# KiCad board Interrupter v1.2.kicad_pcb (continued)
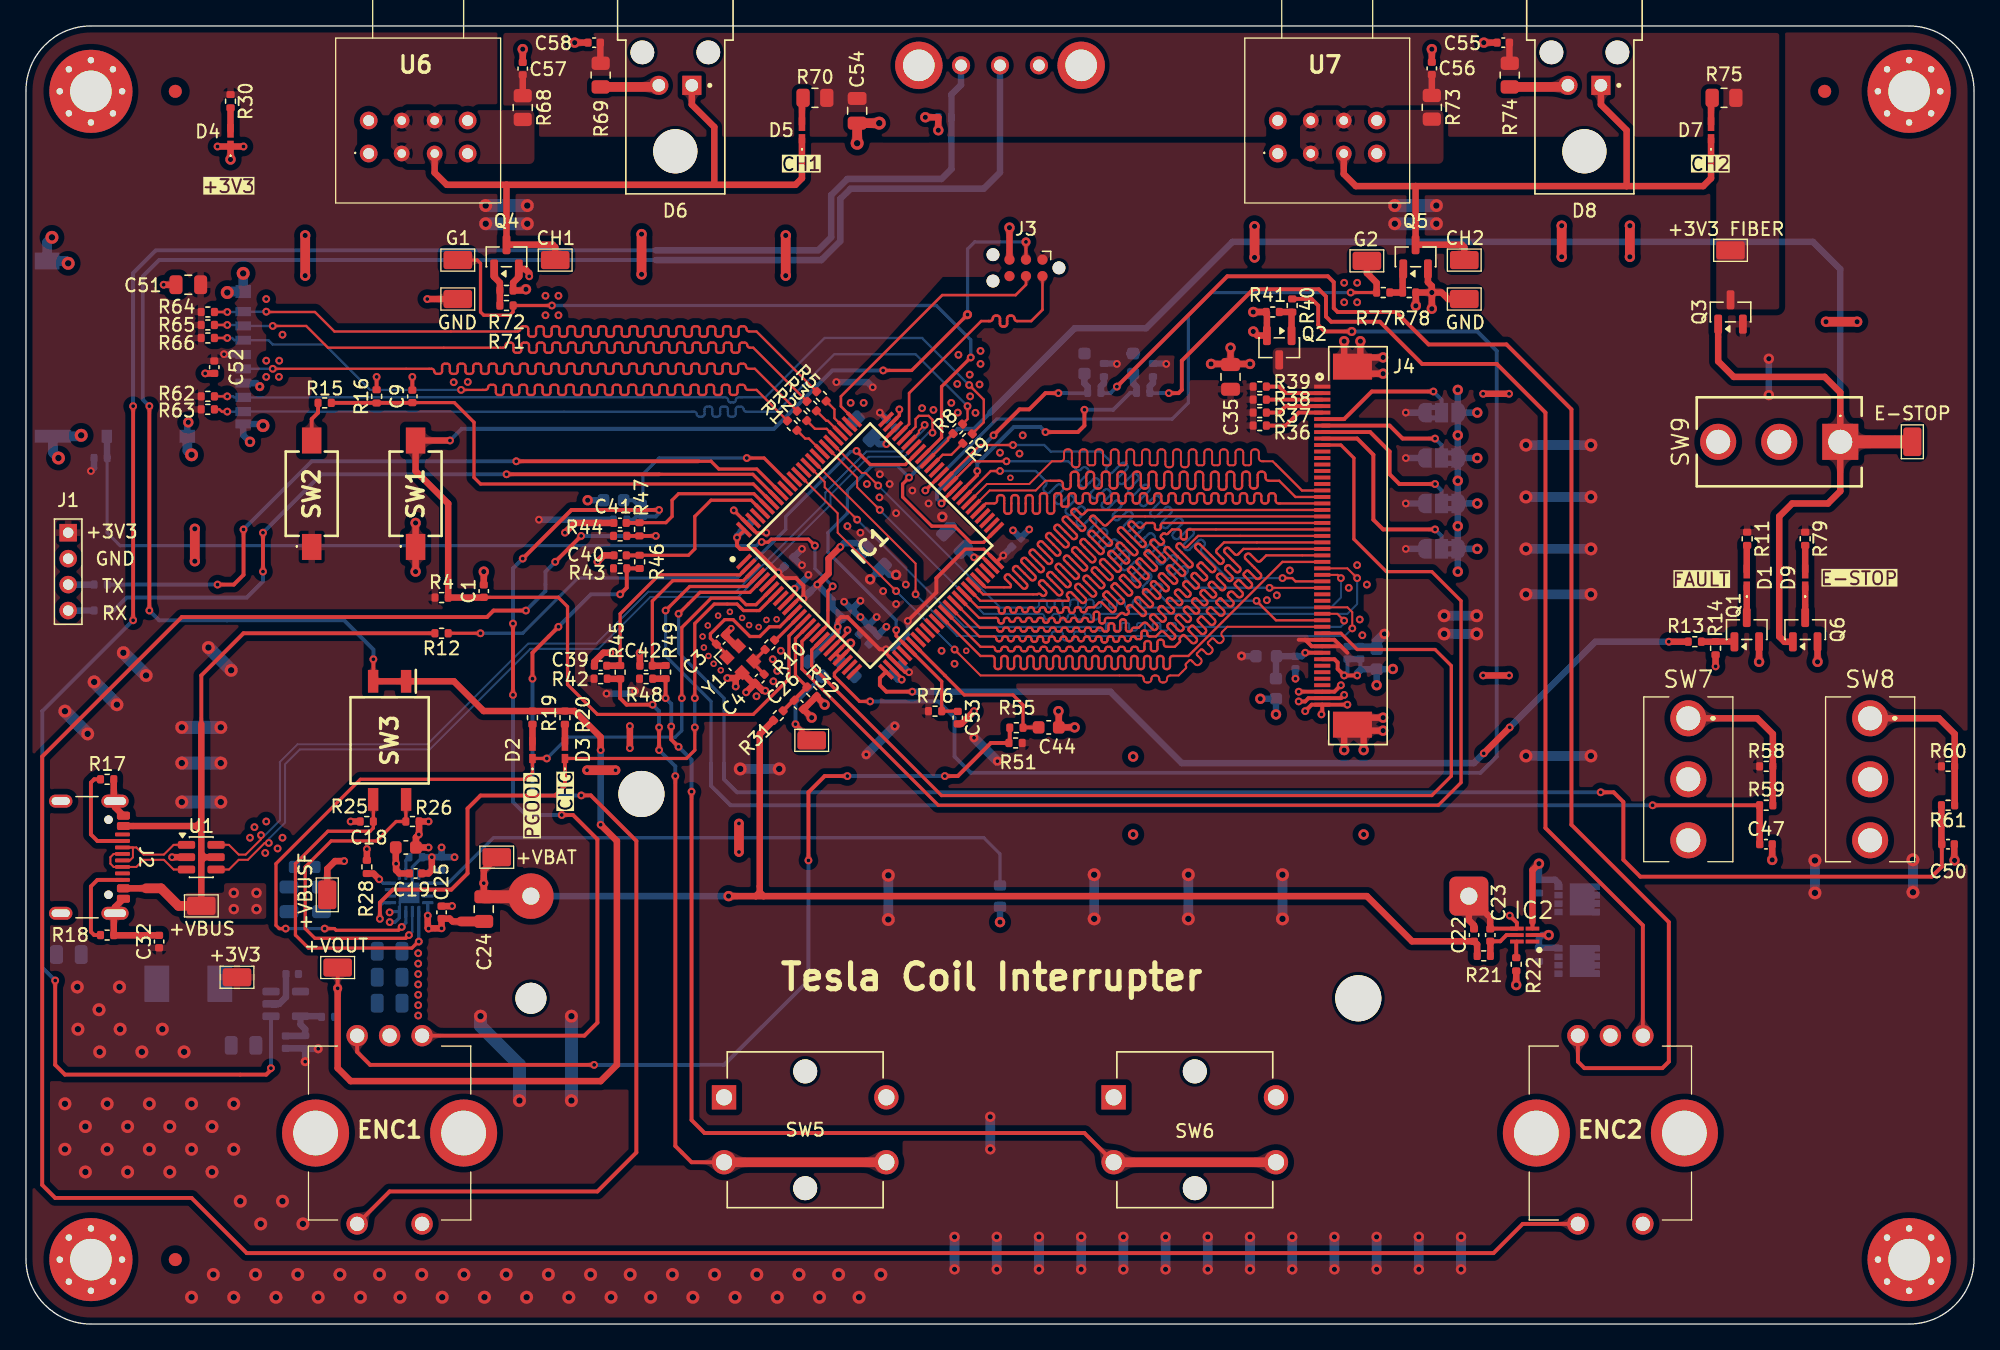
[diagram p0: board, top side]
## Library data of the parts (continued)
JP1-JP4 = -: Description: 3-pole Solder Jumper, pins 1+2 closed/bridged; ki_fp_filters: SolderJumper*Bridged12*
L1 = -: Datasheet: https://industrial.panasonic.com/cdbs/www-data/pdf/AGL0000/AGL0000C67.pdf; Description: Inductor; Link: https://www.mouser.it/ProductDetail/Panasonic/ETQ-P3M2R2HFP?qs=f9yNj16SXrJQaaX5knv6PA%3D%3D; Vendor: Mouser; Manufacturer_Part_Number: ETQ-P3M2R2HFP; ki_fp_filters: Choke_* *Coil* Inductor_* L_*
Q1 Q4 Q6 = -: Datasheet: https://assets.nexperia.com/documents/data-sheet/PMV240ENEA.pdf; Description: N-MOSFET transistor, drain/source/gate; Sim.Library: .\; Link: https://www.mouser.it/ProductDetail/Nexperia/PMV240ENEAR?qs=olJun0bQHM8vrl7UqGNaQw%3D%3D; Vendor: Mouser
Q2 = -: Datasheet: https://assets.nexperia.com/documents/data-sheet/PMV240ENEA.pdf; Description: N-MOSFET transistor, drain/source/gate; Sim.Device: NMOS; Sim.Type: VDMOS; Sim.Pins: 1=D 2=G 3=S; Link: https://www.mouser.it/ProductDetail/Nexperia/PMV240ENEAR?qs=olJun0bQHM8vrl7UqGNaQw%3D%3D; Vendor: Mouser
Q3 = -: Datasheet: https://assets.nexperia.com/documents/data-sheet/PMV250EPEA.pdf; Description: P-MOSFET transistor, drain/source/gate; Link: https://www.mouser.it/ProductDetail/Nexperia/PMV250EPEAR?qs=Yna0arPQ0CTtAa8k6X9CyQ%3D%3D; Vendor: Mouser; Manufacturer_Part_Number: PMV250EPEA
Q5 = -: Datasheet: https://assets.nexperia.com/documents/data-sheet/PMV240ENEA.pdf; Description: N-MOSFET transistor, drain/source/gate; Link: https://www.mouser.it/ProductDetail/Nexperia/PMV240ENEAR?qs=olJun0bQHM8vrl7UqGNaQw%3D%3D; Vendor: Mouser
R1-R3 R5 R8 R9 = -: Datasheet: https://www.vishay.com/docs/20132/rca-sre3.pdf; Description: Resistor; Link: https://eu.mouser.com/ProductDetail/Vishay/RCA040233R0FKEDSR?qs=4dK74SdgGtwI6tlGJ%2FGTmQ%3D%3D; Vendor: Mouser; Manufacturer_Part_Number: RCA040233R0FKEDSR; ki_fp_filters: R_*
R4 R12 R16 R25 R26 R34 R42-R61 R67 R76 = -: Datasheet: https://eu.mouser.com/datasheet/3/508/1/PYU_AC_51_ROHS_L.pdf; Description: Resistor; Link: https://eu.mouser.com/ProductDetail/YAGEO/AC0402FR-0710KL?qs=yhV1fb9g%2FKYkR5U3B7upEQ%3D%3D; Vendor: Mouser; Manufacturer_Part_Number: AC0402FR-0710KL; ki_fp_filters: R_*
R6 R7 R11 R15 R79 = -: Datasheet: https://eu.mouser.com/datasheet/3/508/1/PYU_AC_51_ROHS_L.pdf; Description: Resistor; Link: https://eu.mouser.com/ProductDetail/YAGEO/AC0402FR-13100RL?qs=AQlKX63v8RslM5cufGduxw%3D%3D; Vendor: Mouser; Manufacturer_Part_Number: AC0402FR-13100RL; ki_fp_filters: R_*
R10 = -: Datasheet: https://www.vishay.com/docs/20035/dcrcwe3.pdf; Description: Resistor; Link: https://eu.mouser.com/ProductDetail/Vishay/CRCW04020000Z0ED?qs=OlqPY1Ciranv3qgeAHCodg%3D%3D; Vendor: Mouser; Manufacturer_Part_Number: CRCW04020000Z0ED; ki_fp_filters: R_*
R13 R40 R71 R77 = -: Datasheet: https://eu.mouser.com/datasheet/3/508/1/PYU_AC_51_ROHS_L.pdf; Description: Resistor; Link: https://eu.mouser.com/ProductDetail/YAGEO/AC0402FR-7W220RL?qs=mQk0km4IMDd0ZPGIeAEF8Q%3D%3D; Vendor: Mouser; Manufacturer_Part_Number: AC0402FR-7W220RL; ki_fp_filters: R_*
R14 R35 R41 R72 R78 = -: Datasheet: https://eu.mouser.com/datasheet/3/508/1/PYU_AC_51_ROHS_L.pdf; Description: Resistor; Link: https://eu.mouser.com/ProductDetail/YAGEO/AC0402FR-7W100KL?qs=mQk0km4IMDfW7chanOKcig%3D%3D; Vendor: Mouser; Manufacturer_Part_Number: AC0402FR-7W100KL; ki_fp_filters: R_*
R17 R18 = -: Datasheet: https://eu.mouser.com/datasheet/3/508/1/PYu-AF_51_RoHS_L_9.pdf; Description: Resistor; Link: https://eu.mouser.com/ProductDetail/YAGEO/AF0402FR-075K1L?qs=HEu%2FF%2FCqxzKC2GH3mOffUw%3D%3D; Vendor: Mouser; Manufacturer_Part_Number: AF0402FR-075K1L; ki_fp_filters: R_*
R19 R20 R29 = -: Datasheet: https://eu.mouser.com/datasheet/3/508/1/PYU_AC_51_ROHS_L.pdf; Description: Resistor; Link: https://eu.mouser.com/ProductDetail/YAGEO/AC0402FR-7W1K5L?qs=mQk0km4IMDcl1A2lKmX%2F2w%3D%3D; Vendor: Mouser; Manufacturer_Part_Number: AC0402FR-7W1K5L; ki_fp_filters: R_*
R21 = -: Datasheet: https://eu.mouser.com/datasheet/3/508/1/PYU_AC_51_ROHS_L.pdf; Description: Resistor; Link: https://eu.mouser.com/ProductDetail/YAGEO/AC0402FR-7W330RL?qs=mQk0km4IMDczemHdChyFNA%3D%3D; Manufacturer_Part_Number: AC0402FR-7W330RL; Vendor: Mouser; ki_fp_filters: R_*
R22 = -: Datasheet: https://eu.mouser.com/datasheet/3/508/1/PYu-AF_51_RoHS_L_9.pdf; Description: Resistor; Link: https://eu.mouser.com/ProductDetail/YAGEO/AF0402FR-072K2L?qs=HEu%2FF%2FCqxzLbE%252B9PoedSew%3D%3D; Manufacturer_Part_Number: AF0402FR-072K2L; Vendor: Mouser; ki_fp_filters: R_*
R23 R24 = -: Datasheet: https://eu.mouser.com/datasheet/3/508/1/PYu-AF_51_RoHS_L_9.pdf; Description: Resistor; Vendor: Mouser; Link: https://eu.mouser.com/ProductDetail/YAGEO/AF0402FR-075M1L?qs=tggtontpCXODq21yFdoYyQ%3D%3D; Manufacturer_Part_Number: AF0402FR-075M1L; ki_fp_filters: R_*
R27 = -: Datasheet: https://eu.mouser.com/datasheet/3/508/1/PYU_AC_51_ROHS_L.pdf; Description: Resistor; Link: https://eu.mouser.com/ProductDetail/YAGEO/AC0402FR-7W68KL?qs=mQk0km4IMDe05rLmfXlp6Q%3D%3D; Vendor: Mouser; Manufacturer_Part_Number: AC0402FR-7W68KL; ki_fp_filters: R_*
R28 = -: Datasheet: https://eu.mouser.com/datasheet/3/508/1/PYU_AC_51_ROHS_L.pdf; Description: Resistor; Link: https://eu.mouser.com/ProductDetail/YAGEO/AC0402FR-071K8L?qs=yhV1fb9g%2FKZuYNO5wsV9Pw%3D%3D; Vendor: Mouser; Manufacturer_Part_Number: AC0402FR-071K8L; ki_fp_filters: R_*
R30 = -: Datasheet: https://eu.mouser.com/datasheet/3/508/1/PYU_AC_51_ROHS_L.pdf; Description: Resistor; Link: https://eu.mouser.com/ProductDetail/YAGEO/AC0402FR-7W470RL?qs=mQk0km4IMDfWG48tCLZa0w%3D%3D; Vendor: Mouser; Manufacturer_Part_Number: AC0402FR-7W470RL; ki_fp_filters: R_*
R31 R32 R62-R66 = -: Datasheet: https://www.vishay.com/docs/20035/dcrcwe3.pdf; Description: Resistor; Link: https://eu.mouser.com/ProductDetail/Vishay/CRCW040247K0FKED?qs=rzhQWu8UUS0SPbmGf0DOIg%3D%3D; Vendor: Mouser; Manufacturer_Part_Number: CRCW040247K0FKED; ki_fp_filters: R_*
R33 = -: Datasheet: https://industrial.panasonic.com/cdbs/www-data/pdf/RDA0000/AOA0000C304.pdf; Description: Resistor; Link: https://eu.mouser.com/ProductDetail/Panasonic/ERJ-2RKF4533X?qs=YMBIwoNQYdVZQ316LHSXpQ%3D%3D; Vendor: Mouser; Manufacturer_Part_Number: ERJ-2RKF4533X; ki_fp_filters: R_*
R36-R39 = -: Datasheet: https://eu.mouser.com/datasheet/3/508/1/PYu-SR_20105_RoHS_L_12.pdf; Description: Resistor; Link: https://eu.mouser.com/ProductDetail/YAGEO/SR0402FR-7T4R7L?qs=qpJ%252B%252B%252Bdg6p1e9tckOyHPxA%3D%3D; Vendor: Mouser; Manufacturer_Part_Number: SR0402FR-7T4R7L; ki_fp_filters: R_*
R68 R73 = -: Datasheet: https://industrial.panasonic.com/cdbs/www-data/pdf/RDO0000/AOA0000C331.pdf; Description: Resistor; Link: https://eu.mouser.com/ProductDetail/Panasonic/ERJ-P06F27R0V?qs=iIVTEDlrHA3pDyX1uO2THw%3D%3D; Vendor: Mouser; Manufacturer_Part_Number: ERJ-P06F27R0V; ki_fp_filters: R_*
R69 R70 R74 R75 = -: Datasheet: https://industrial.panasonic.com/cdbs/www-data/pdf/RDO0000/AOA0000C331.pdf; Description: Resistor; Link: https://eu.mouser.com/ProductDetail/Panasonic/ERJ-P06F47R0V?qs=iIVTEDlrHA3jXurJ8%2Fb0wQ%3D%3D; Vendor: Mouser; Manufacturer_Part_Number: ERJ-P06F47R0V; ki_fp_filters: R_*
SW1 SW2 = -: Datasheet: https://www.ckswitches.com/media/2779/pts636.pdf; Description: Push button switch, generic, two pins; Link: https://eu.mouser.com/ProductDetail/CK/PTS636SM43JSMTR-LFS?qs=%252BXxaIXUDbq0c6yfQESkQsA%3D%3D; Manufacturer_Part_Number: PTS636SM43JSMTR LFS; Vendor: Mouser
SW3 = -: Datasheet: https://eu.mouser.com/datasheet/3/39/1/en_a6s.pdf; Description: 2x DIP Switch, Single Pole Single Throw (SPST) switch, small symbol; Link: https://eu.mouser.com/ProductDetail/Omron-Electronics/A6S-2104-H?qs=ZP3UR5XsUocCV6WIDeBAHA%3D%3D; Vendor: Mouser; Manufacturer_Part_Number: A6S-2104-H; ki_fp_filters: SW?DIP?x2*
SW4 = -: Datasheet: https://eu.mouser.com/datasheet/3/315/1/EG1206.pdf; Description: Switch, single pole double throw; Link: https://eu.mouser.com/ProductDetail/E-Switch/EG1206?qs=HKd%2Fp3M7KlUkIGmXpAWCMA%3D%3D; Manufacturer_Part_Number: EG1206; Vendor: Mouser
SW5 SW6 = -: Datasheet: https://www.mouser.it/datasheet/3/39/1/en_b3f.pdf; Description: Push button switch, generic, two pins; Link: https://www.mouser.it/ProductDetail/Omron-Electronics/B3F-4050?qs=B3tblJ0Nlt9ObBVoLmesBQ%3D%3D; Vendor: Mouser; Manufacturer_Part_Number: B3F-4050
SW7 SW8 = -: Datasheet: https://eu.mouser.com/datasheet/3/315/1/100SP1T1B1M2REH.pdf; Description: Switch, single pole double throw; Link: https://eu.mouser.com/ProductDetail/E-Switch/100SP1T1B1M2REH?qs=01kh3H%252BlXihCX4kaIcYj8A%3D%3D; Manufacturer_Part_Number: 100SP1T1B1M2REH; Vendor: Mouser
SW9 = -: Datasheet: https://www.ckswitches.com/media/1395/8060.pdf; Description: Momentary Switch, single pole double throw; Link: https://eu.mouser.com/ProductDetail/CK/8161SHCQE2?qs=%252BxTWGDfWz02yP7w3eFs9fQ%3D%3D; Manufacturer_Part_Number: 8161SHCQE2; Vendor: Mouser
TH1 = -: Datasheet: https://product.tdk.com/system/files/dam/doc/product/sensor/ntc/chip-ntc-thermistor/catalog/tpd_commercial_ntc-thermistor_ntcg_en.pdf; Description: Temperature dependent resistor, negative temperature coefficient; Link: https://www.mouser.it/ProductDetail/TDK/NTCG163JF103FT1A?qs=ZcfC38r4PotFYH9eb1GkAw%3D%3D; Vendor: Mouser; Manufacturer_Part_Number: NTCG163JF103FT1A; ki_fp_filters: R_* RV_*
TP1-TP14 = -: Datasheet: https://eu.mouser.com/datasheet/3/71/1/S2751R.pdf; Description: test point; Link: https://eu.mouser.com/ProductDetail/Harwin/S2751-46R?qs=DaxoyN%2FvrebM3VuuS3MPNA%3D%3D; Vendor: Mouser; Manufacturer_Part_Number: S2751-46R; ki_fp_filters: Pin* Test*
U1 = -: Datasheet: https://www.st.com/resource/en/datasheet/usblc6-2.pdf; Description: Very low capacitance ESD protection diode, 2 data-line, SOT-23-6; Link: https://eu.mouser.com/ProductDetail/STMicroelectronics/USBLC6-2SC6?qs=po45yt2pPpu%2FhNIlwQdTlg%3D%3D; Vendor: Mouser; ki_fp_filters: SOT?23*
U2 = -: Datasheet: http://www.ti.com/lit/ds/symlink/bq24075.pdf; Description: USB-Friendly Li-Ion Battery Charger and Power-Path Management, VQFN-16; Link: https://eu.mouser.com/ProductDetail/Texas-Instruments/BQ24075RGTR?qs=XGzIaZb%2FFYKTADIJv746hA%3D%3D; Vendor: Mouser; Manufacturer_Part_Number: BQ24075RGTR; ki_fp_filters: VQFN*1EP*3x3mm*P0.5mm*
U3 U4 = -: Datasheet: https://www.ti.com/lit/ds/symlink/csd16406q3.pdf?ts=1772560257556&ref_url=https%253A%252F%252Feu.mouser.com%252F; Description: 25V, N ch NexFET MOSFET, single SON3x3, 7.4mOhm 8-VSON-CLIP -55 to 150; MF: Texas Instruments; MOUSER-PURCHASE-URL: https://snapeda.com/shop?store=Mouser&id=288071; PACKAGE: VSON-CLIP-8 Texas Instruments; PRICE: None; TEXAS_INSTRUMENTS-PURCHASE-URL: https://snapeda.com/shop?store=Texas+Instruments&id=288071; AVAILABILITY: Good; DIGIKEY-PURCHASE-URL: https://snapeda.com/shop?store=DigiKey&id=288071; Link: https://eu.mouser.com/ProductDetail/Texas-Instruments/CSD16406Q3?qs=SuDOdTVxq4Wogv4PDdDFZA%3D%3D; Vendor: Mouser
U5 = -: Datasheet: http://www.ti.com/lit/ds/symlink/tlv62569.pdf; Description: High Efficiency Synchronous Buck Converter, Adjustable Output 0.6V-5.5V, 2A, SOT-23-5; Link: https://eu.mouser.com/ProductDetail/Texas-Instruments/TLV62569DBVR?qs=0C8XhJW8e4oaylc%252BzBrCmA%3D%3D; Vendor: Mouser; Manufacturer_Part_Number: TLV62569DBVR; ki_fp_filters: SOT?23*
U6 U7 = -: Datasheet: https://docs.broadcom.com/docs/AV02-0176EN; Description: BROADCOM - HFBR-1412TZ - Fiber Optic Transmitter, Miniature Link, ST Port, 820 nm, 5 Mbaud, 1500 m, 100 mA, 1.84 V, 3.8 V; Height: 10; Mouser Part Number: 630-HFBR-1412TZ; Mouser Price/Stock: https://www.mouser.co.uk/ProductDetail/Broadcom-Avago/HFBR-1412TZ?qs=jT9z6tsiFNmBqJ6B3P4Suw%3D%3D; Manufacturer_Name: Avago Technologies; Link: https://eu.mouser.com/ProductDetail/Broadcom-Avago/HFBR-1412TZ?qs=jT9z6tsiFNmBqJ6B3P4Suw%3D%3D; Vendor: Mouser
Y1 = -: Datasheet: https://eu.mouser.com/datasheet/3/184/1/ABM10N.pdf; Description: Four pin crystal, GND on pins 2 and 4; Link: https://eu.mouser.com/ProductDetail/ABRACON/ABM10N-24.0000MHZ-10-B1U-T3?qs=bN4HulGPsrF3QJP5K3E1pw%3D%3D; Vendor: Mouser; Manufacturer_Part_Number: ABM10N-24.0000MHZ-10-B1U-T3; ki_fp_filters: Crystal*

## Footprints (pads in the part's own frame, mm; a bottom-side part is the same pattern mirrored in y, then rotated)
100SP1T1B1M2REH
  round 2.775 hole 1.85: 1(0,0) 2(4.7,0) 3(9.4,0)
8161SHCQE2
  rect 2.775x2.775 hole 1.85: 1(0,0)
  round 2.775 hole 1.85: 2(0,4.7) 3(0,9.4)
A6S-2104-H
  rect 1.75x0.8 smd: 1(-4.55,1.27) 2(-4.55,-1.27) 3(4.55,-1.27) 4(4.55,1.27)
B3F_4050
  round 1.85 hole 1.85 unplated: (0,4.5) (0,-4.5)
  rect 1.875x1.875 hole 1.25: 1(-6.25,2.5)
  round 1.875 hole 1.25: 2(6.25,2.5) 3(-6.25,-2.5) 4(6.25,-2.5)
BQ29700
  rect 1.05x0.3 smd: 1(-0.6,0.5) 2(-0.6,0) 3(-0.6,-0.5) 4(0.6,-0.5) 5(0.6,0) 6(0.6,0.5)
C_0402_1005Metric
  rrect 0.56x0.62 smd: 1(-0.48,0) 2(0.48,0)
C_0603_1608Metric
  rrect 0.9x0.95 smd: 1(-0.775,0) 2(0.775,0)
C_0805_2012Metric
  rrect 1x1.45 smd: 1(-0.95,0) 2(0.95,0)
Crystal_SMD_Abracon_ABM10-4Pin_2.5x2.0mm
  rect 0.8x0.9 smd: 1(-0.625,0.825) 2(-0.625,-0.825) 3(0.625,-0.825) 4(0.625,0.825)
CSD16406Q3
  rect 0.63x0.5 smd: 1(-1.435,0.975) 2(-1.435,0.325) 3(-1.435,-0.325) 4(-1.435,-0.975) 6(1.435,-0.325) 7(1.435,0.325) 8(1.435,0.975)
  custom 2.32x2.46 smd: 5(1.435,-0.975)
DM3AT-SF-PEJM5
  rect 0.7x1.2 smd: 1(2.775,7.975) 2(1.675,7.975) 3(0.575,7.975) 4(-0.525,7.975) 5(-1.625,7.975) 6(-2.725,7.975) 7(-3.825,7.975) 8(-4.925,7.975) SWB(-5.875,7.975)
  rect 1x1.2 smd: P1(-6.825,3.675) P4(4.325,7.975)
  rect 1x2.8 smd: P2(-6.825,-6.675)
  rect 1.3x1.9 smd: P3(6.675,-7.125)
  rect 1x0.8 smd: SWA(-6.825,-2.525)
EG1206
  round 1.4 hole 0.9: 1(0,0) 2(3,0) 3(6,0)
  round 3.653 hole 2.435: MH1(-3.25,0) MH2(9.25,0)
ER-CON50HT-1
  rect 0.3x1.25 smd: 1(-12.25,0) 2(-11.75,0) 3(-11.25,0) 4(-10.75,0) 5(-10.25,0) 6(-9.75,0) 7(-9.25,0) 8(-8.75,0) 9(-8.25,0) 10(-7.75,0) 11(-7.25,0) 12(-6.75,0) 13(-6.25,0) 14(-5.75,0) 15(-5.25,0) 16(-4.75,0) 17(-4.25,0) 18(-3.75,0) 19(-3.25,0) 20(-2.75,0) 21(-2.25,0) 22(-1.75,0) 23(-1.25,0) 24(-0.75,0) 25(-0.25,0) 26(0.25,0) 27(0.75,0) 28(1.25,0) 29(1.75,0) 30(2.25,0) 31(2.75,0) 32(3.25,0) 33(3.75,0) 34(4.25,0) 35(4.75,0) 36(5.25,0) 37(5.75,0) 38(6.25,0) 39(6.75,0) 40(7.25,0) 41(7.75,0) 42(8.25,0) 43(8.75,0) 44(9.25,0) 45(9.75,0) 46(10.25,0) 47(10.75,0) 48(11.25,0) 49(11.75,0) 50(12.25,0)
  rect 2x3 smd: S1(-13.79,2.325) S2(13.79,2.325)
ETQ-P3M2R2HFP
  rect 1.905x2.79 smd: 1(-2.425,0) 2(2.425,0)
Fiducial_1mm_Mask2mm
  round 1 smd: (0,0)
HFBR1412TMZ
  round 1.365 hole 0.84: 1(-9.79,3.612) 4(-9.79,-4.008) 5(-7.25,-4.008) 8(-7.25,3.612)
  round 1.21 hole 0.66: 2(-9.79,1.072) 3(-9.79,-1.468) 6(-7.25,-1.468) 7(-7.25,1.072)
IF-E97
  round 1.83 hole 1.83 unplated: (-2.54,0) (2.54,0)
  round 3.4 hole 3.4 unplated: (0,7.62)
  rect 1.478x1.478 hole 0.97: 1(-1.27,2.54)
  round 1.478 hole 0.97: 2(1.27,2.54)
Keystone 1043
  round 3.55 hole 3.55 unplated: (-63.71,-7.87) (-8.51,7.87)
  round 2.39 hole 2.39 unplated: (0,-7.87)
  round 3.5 hole 1.32: 1(0,0)
  rrect 3x3 hole 1.32: 2(-72.22,0)
L_0603_1608Metric
  rrect 0.875x0.95 smd: 1(-0.788,0) 2(0.788,0)
MountingHole_3.2mm_M3_Pad_Via
  round 0.8 hole 0.5: 1(-2.4,0) 1(-1.697,1.697) 1(-1.697,-1.697) 1(0,2.4) 1(0,-2.4) 1(1.697,1.697) 1(1.697,-1.697) 1(2.4,0)
  round 6.4 hole 3.2: 1(0,0)
PEC11R4220FS0024
  round 1.65 hole 1.1: 1(0,0) 2(5,0) A1(0,-14.5) B1(5,-14.5) C1(2.5,-14.5)
  round 5.161 hole 3.441: MH1(-3.2,-7) MH2(8.2,-7)
PinSocket_1x04_P2.00mm_Vertical
  rect 1.35x1.35 hole 0.8: 1(0,0)
  round 1.35 hole 0.8: 2(0,-2) 3(0,-4) 4(0,-6)
PTS636SM43JSMTRLFS
  rect 2x1.5 smd: 1(-4.1,0) 2(4.1,0)
R_0402_1005Metric
  rrect 0.54x0.64 smd: 1(-0.51,0) 2(0.51,0)
R_0603_1608Metric
  rrect 0.8x0.95 smd: 1(-0.825,0) 2(0.825,0)
R_0805_2012Metric
  rrect 1.025x1.4 smd: 1(-0.912,0) 2(0.912,0)
S275146R
  rrect 2.2x1.4 smd: 1(0,0)
SolderJumper-3_P1.3mm_Bridged2Bar12_RoundedPad1.0x1.5mm_NumberLabels
  custom 1.05x1.5 smd: 1(-1.3,0) 3(1.3,0)
  rect 1x1.5 smd: 2(0,0)
SOT-23
  rrect 1.475x0.6 smd: 1(-0.938,0.95) 2(-0.938,-0.95) 3(0.938,0)
SOT-23-5
  rrect 1.325x0.6 smd: 1(-1.137,0.95) 2(-1.137,0) 3(-1.137,-0.95) 4(1.137,-0.95) 5(1.137,0.95)
SOT-23-6
  rrect 1.325x0.6 smd: 1(-1.137,0.95) 2(-1.137,0) 3(-1.137,-0.95) 4(1.137,-0.95) 5(1.137,0) 6(1.137,0.95)
STM32F405VGT6
  rect 1.475x0.3 smd: 1(-7.738,6) 2(-7.738,5.5) 3(-7.738,5) 4(-7.738,4.5) 5(-7.738,4) 6(-7.738,3.5) 7(-7.738,3) 8(-7.738,2.5) 9(-7.738,2) 10(-7.738,1.5) 11(-7.738,1) 12(-7.738,0.5) 13(-7.738,0) 14(-7.738,-0.5) 15(-7.738,-1) 16(-7.738,-1.5) 17(-7.738,-2) 18(-7.738,-2.5) 19(-7.738,-3) 20(-7.738,-3.5) 21(-7.738,-4) 22(-7.738,-4.5) 23(-7.738,-5) 24(-7.738,-5.5) 25(-7.738,-6) 51(7.738,-6) 52(7.738,-5.5) 53(7.738,-5) 54(7.738,-4.5) 55(7.738,-4) 56(7.738,-3.5) 57(7.738,-3) 58(7.738,-2.5) 59(7.738,-2) 60(7.738,-1.5) 61(7.738,-1) 62(7.738,-0.5) 63(7.738,0) 64(7.738,0.5) 65(7.738,1) 66(7.738,1.5) 67(7.738,2) 68(7.738,2.5) 69(7.738,3) 70(7.738,3.5) 71(7.738,4) 72(7.738,4.5) 73(7.738,5) 74(7.738,5.5) 75(7.738,6)
  rect 0.3x1.475 smd: 26(-6,-7.738) 27(-5.5,-7.738) 28(-5,-7.738) 29(-4.5,-7.738) 30(-4,-7.738) 31(-3.5,-7.738) 32(-3,-7.738) 33(-2.5,-7.738) 34(-2,-7.738) 35(-1.5,-7.738) 36(-1,-7.738) 37(-0.5,-7.738) 38(0,-7.738) 39(0.5,-7.738) 40(1,-7.738) 41(1.5,-7.738) 42(2,-7.738) 43(2.5,-7.738) 44(3,-7.738) 45(3.5,-7.738) 46(4,-7.738) 47(4.5,-7.738) 48(5,-7.738) 49(5.5,-7.738) 50(6,-7.738) 76(6,7.738) 77(5.5,7.738) 78(5,7.738) 79(4.5,7.738) 80(4,7.738) 81(3.5,7.738) 82(3,7.738) 83(2.5,7.738) 84(2,7.738) 85(1.5,7.738) 86(1,7.738) 87(0.5,7.738) 88(0,7.738) 89(-0.5,7.738) 90(-1,7.738) 91(-1.5,7.738) 92(-2,7.738) 93(-2.5,7.738) 94(-3,7.738) 95(-3.5,7.738) 96(-4,7.738) 97(-4.5,7.738) 98(-5,7.738) 99(-5.5,7.738) 100(-6,7.738)
Tag-Connect_TC2030-IDC-NL_2x03_P1.27mm_Vertical
  round 0.991 hole 0.991 unplated: (-2.54,0) (2.54,1.016) (2.54,-1.016)
  round 0.787 smd: 1(-1.27,-0.635) 2(-1.27,0.635) 3(0,-0.635) 4(0,0.635) 5(1.27,-0.635) 6(1.27,0.635)
TOPLED E1608
  rect 0.7x0.5 smd: 1(-0.645,0)
  rect 1.05x0.5 smd: 2(0.47,0)
USB_C_Receptacle_GCT_USB4105-xx-A_16P_TopMnt_Horizontal
  round 0.65 hole 0.65 unplated: (-2.89,2.605) (2.89,2.605)
  rrect 0.6x1 smd: A1(-3.2,3.755) A4(-2.4,3.755) A9(2.4,3.755) A12(3.2,3.755) B1(3.2,3.755) B4(2.4,3.755) B9(-2.4,3.755) B12(-3.2,3.755)
  rrect 0.3x1.15 smd: A5(-1.25,3.68) A6(-0.25,3.68) A7(0.25,3.68) A8(1.25,3.68) B5(1.75,3.68) B6(0.75,3.68) B7(-0.75,3.68) B8(-1.75,3.68)
  oval 1x2.1 hole 0.6x1.7: S1(-4.32,3.105) S1(4.32,3.105)
  oval 1x1.8 hole 0.6x1.4: S1(-4.32,-1.075) S1(4.32,-1.075)
VQFN-16-1EP_3x3mm_P0.5mm_EP1.6x1.6mm
  rrect 0.64x0.64 smd: (-0.4,-0.4) (-0.4,0.4) (0.4,-0.4) (0.4,0.4)
  rrect 0.875x0.25 smd: 1(-1.438,0.75) 2(-1.438,0.25) 3(-1.438,-0.25) 4(-1.438,-0.75) 9(1.438,-0.75) 10(1.438,-0.25) 11(1.438,0.25) 12(1.438,0.75)
  rrect 0.25x0.875 smd: 5(-0.75,-1.438) 6(-0.25,-1.438) 7(0.25,-1.438) 8(0.75,-1.438) 13(0.75,1.438) 14(0.25,1.438) 15(-0.25,1.438) 16(-0.75,1.438)
  rect 1.6x1.6 smd: 17(0,0)

## Nets
+3.3V: C10.1 C11.1 C12.1 C13.1 C14.1 C15.1 C16.1 C17.1 C31.1 C32.1 C33.1 C34.1 C35.1 C36.1 C37.1 C38.1 C51.1 C52.1 FB1.1 FB3.1 IC1.6 IC1.11 IC1.19 IC1.28 IC1.50 IC1.75 IC1.100 J1.1 J3.1 J4.40 J4.41 J5.4 JP1.1 JP2.3 JP3.3 JP4.3 L1.2 Q3.2 R4.1 R11.1 R30.1 R33.1 R36.1 R37.1 R38.1 R39.1 R42.1 R43.1 R44.1 R48.1 R50.2 R51.2 R52.2 R53.2 R58.1 R60.1 R62.1 R63.1 R64.1 R65.1 R66.1 R67.2 R76.1 R79.1 SW2.1 TP6.1
+3.3V_FIBER: C54.1 C55.1 C56.1 C57.1 C58.1 Q3.3 R68.1 R69.1 R70.1 R73.1 R74.1 R75.1 TP9.1
+VBAT: BT1.1 C22.1 C24.1 C25.1 R21.1 R31.1 TP4.1 U2.2 U2.3
+VBUS: C20.1 FB2.1 J2.A4 J2.A9 J2.B4 J2.B9 R12.2 TP2.1 U1.5
+VBUSF: C18.1 C19.1 C21.1 FB2.2 TP3.1 U2.13
/MCU & Logic/VBAT_SNS: C26.1 IC1.15 R31.2 R32.1
GND: C1.2 C2.2 C3.2 C4.2 C5.2 C6.2 C7.2 C8.2 C9.2 C10.2 C11.2 C12.2 C13.2 C14.2 C15.2 C16.2 C17.2 C18.2 C19.2 C20.2 C21.2 C24.2 C25.2 C26.2 C27.2 C28.2 C29.2 C30.2 C32.2 C33.2 C34.2 C35.2 C36.2 C37.2 C38.2 C39.2 C40.2 C41.2 C42.2 C43.2 C44.2 C45.2 C46.2 C47.2 C48.2 C49.2 C50.2 C51.2 C52.2 C53.2 C54.2 C55.2 C56.2 C57.2 C58.2 D4.1 ENC1.1 ENC1.C1 ENC1.MH1 ENC1.MH2 ENC2.1 ENC2.C1 ENC2.MH1 ENC2.MH2 H1.1 H2.1 H3.1 H4.1 IC1.10 IC1.20 IC1.27 IC1.74 IC1.99 J1.2 J2.A1 J2.A12 J2.B1 J2.B12 J2.S1 J3.5 J4.43 J4.48 J4.49 J4.50 J4.S1 J4.S2 J5.6 J5.P1 J5.P2 J5.P3 J5.P4 J5.SWB JP1.3 JP2.1 JP3.1 JP4.1 Q1.2 Q2.2 Q4.2 Q5.2 Q6.2 R14.2 R16.2 R17.2 R18.2 R22.2 R23.2 R25.2 R26.2 R27.2 R28.2 R29.2 R32.2 R34.2 R35.2 R41.2 R72.2 R78.2 SW1.1 SW4.MH1 SW4.MH2 SW5.1 SW5.2 SW6.1 SW6.2 SW7.2 SW8.2 SW9.2 TH1.2 TP8.1 TP12.1 U1.2 U2.4 U2.8 U2.15 U2.17 U4.1 U4.2 U4.3 U5.2 Y1.2 Y1.4
+VOUT: C27.1 C28.1 C29.1 C30.1 R19.1 R20.1 SW3.1 SW3.2 SW4.2 TP5.1 U2.10 U2.11 U5.4
/Fiber Outputs/E_STOP: C53.1 IC1.31 IC1.51 Q3.1 Q6.1 R76.2 SW9.1 TP13.1
/Fiber Outputs/FIBER_CH1: IC1.67 R71.1 TP10.1
/Fiber Outputs/FIBER_CH2: IC1.63 R77.1 TP14.1
/MCU & Logic/BOOT0: C9.1 IC1.94 R15.1 R16.1
/MCU & Logic/BTN1: C39.1 IC1.2 R45.2
/MCU & Logic/BTN2: C42.1 IC1.3 R49.2
/MCU & Logic/CHG: D3.1 IC1.8 U2.9
/MCU & Logic/D+: IC1.71 U1.4
/MCU & Logic/D-: IC1.70 U1.6
/MCU & Logic/ENC1_A: C43.1 IC1.90 R54.2
/MCU & Logic/ENC1_B: C44.1 IC1.32 R55.2
/MCU & Logic/ENC1_SW: C40.1 IC1.96 R46.2
/MCU & Logic/ENC2_A: C45.1 IC1.59 R56.2
/MCU & Logic/ENC2_B: C46.1 IC1.60 R57.2
/MCU & Logic/ENC2_SW: C41.1 IC1.95 R47.2
/MCU & Logic/FSMC_A16: IC1.58 J4.37
/MCU & Logic/FSMC_D0: IC1.61 J4.32
/MCU & Logic/FSMC_D1: IC1.62 J4.31
/MCU & Logic/FSMC_D2: IC1.81 J4.30
/MCU & Logic/FSMC_D3: IC1.82 J4.29
/MCU & Logic/FSMC_D4: IC1.38 J4.28
/MCU & Logic/FSMC_D5: IC1.39 J4.27
/MCU & Logic/FSMC_D6: IC1.40 J4.26
/MCU & Logic/FSMC_D7: IC1.41 J4.25
/MCU & Logic/FSMC_D8: IC1.42 J4.24
/MCU & Logic/FSMC_D9: IC1.43 J4.23
/MCU & Logic/FSMC_D10: IC1.44 J4.22
/MCU & Logic/FSMC_D11: IC1.45 J4.21
/MCU & Logic/FSMC_D12: IC1.46 J4.20
/MCU & Logic/FSMC_D13: IC1.55 J4.19
/MCU & Logic/FSMC_D14: IC1.56 J4.18
/MCU & Logic/FSMC_D15: IC1.57 J4.17
/MCU & Logic/FSMC_NE1: IC1.88 J4.38
/MCU & Logic/FSMC_NOE: IC1.85 J4.35
/MCU & Logic/FSMC_NWE: IC1.86 J4.36
/MCU & Logic/LCD_BL: IC1.23 R40.1
/MCU & Logic/LCD_RST: IC1.16 J4.10
/MCU & Logic/LCD_TE: IC1.18 J4.39
/MCU & Logic/NRST: C1.1 IC1.14 J3.3 R4.2 SW1.2
/MCU & Logic/OSC_IN: C3.1 IC1.12 Y1.1
/MCU & Logic/OSC_OUT: IC1.13 R10.2
/MCU & Logic/PGOOD: D2.1 IC1.7 U2.7
/MCU & Logic/SD_DETECT: IC1.17 J5.SWA R67.1
/MCU & Logic/SDIO_CK: J5.5 R2.2
/MCU & Logic/SDIO_CLK_R: IC1.80 R2.1
/MCU & Logic/SDIO_CMD: J5.3 R1.2 R66.2
/MCU & Logic/SDIO_CMD_R: IC1.83 R1.1
/MCU & Logic/SDIO_D0: J5.7 R9.2 R62.2
/MCU & Logic/SDIO_D0_R: IC1.65 R9.1
/MCU & Logic/SDIO_D1: J5.8 R8.2 R63.2
/MCU & Logic/SDIO_D1_R: IC1.66 R8.1
/MCU & Logic/SDIO_D2: J5.1 R5.2 R64.2
/MCU & Logic/SDIO_D2_R: IC1.78 R5.1
/MCU & Logic/SDIO_D3: J5.2 R3.2 R65.2
/MCU & Logic/SDIO_D3_R: IC1.79 R3.1
/MCU & Logic/SW1: C47.1 IC1.4 R59.2
/MCU & Logic/SW2: C50.1 IC1.5 R61.2
/MCU & Logic/SWCLK: IC1.76 J3.4
/MCU & Logic/SWDIO: IC1.72 J3.2
/MCU & Logic/UART_RX: IC1.93 R7.1
/MCU & Logic/UART_TX: IC1.92 R6.1
/MCU & Logic/USBCC1: J2.A5 R17.1
/MCU & Logic/USBCC2: J2.B5 R18.1
/MCU & Logic/USBD+: J2.A6 J2.B6 U1.3
/MCU & Logic/USBD-: J2.A7 J2.B7 U1.1
/MCU & Logic/V_ANALOG: C5.1 C6.1 C7.1 FB1.2 IC1.21 IC1.22 TP1.1
/User Interface/IM0: J4.6 JP1.2
/User Interface/IM1: J4.7 JP2.2
/User Interface/IM2: J4.8 JP3.2
/User Interface/IM3: J4.9 JP4.2
/User Interface/LEDA1: J4.2 R39.2
/User Interface/LEDA2: J4.3 R38.2
/User Interface/LEDA3: J4.4 R37.2
/User Interface/LEDA4: J4.5 R36.2
/User Interface/LEDK: J4.1 Q2.3
FAULT: IC1.26 R13.1
G1: IC2.3 R24.1 U3.4
G2: IC2.2 R23.1 U4.4
K_CH1: D5.1 D6.1 Q4.3 TP7.1 U6.3
K_CH2: D7.1 D8.1 Q5.3 TP11.1 U7.3
Net-(BT1--): BT1.2 C22.2 C23.2 IC2.4 R24.2 U3.1 U3.2 U3.3
Net-(C4-Pad1): C4.1 R10.1 Y1.3
Net-(C48-Pad1): C48.1 C49.1 FB3.2 J4.42
Net-(D1-A): D1.2 R11.2
Net-(D1-K): D1.1 Q1.3
Net-(D2-A): D2.2 R19.2
Net-(D3-A): D3.2 R20.2
Net-(D4-A): D4.2 R30.2
Net-(D5-A): D5.2 R70.2
Net-(D6-Pad2): D6.2 R69.2
Net-(D7-A): D7.2 R75.2
Net-(D8-Pad2): D8.2 R74.2
Net-(D9-A): D9.2 R79.2
Net-(D9-K): D9.1 Q6.3
Net-(ENC1-A): ENC1.A1 R50.1 R54.1
Net-(ENC1-B): ENC1.B1 R51.1 R55.1
Net-(ENC1-Pad2): ENC1.2 R43.2 R46.1
Net-(ENC2-A): ENC2.A1 R52.1 R56.1
Net-(ENC2-B): ENC2.B1 R53.1 R57.1
Net-(ENC2-Pad2): ENC2.2 R44.2 R47.1
Net-(IC1-PA9): IC1.68 R12.1
Net-(IC1-VCAP_1): C8.1 IC1.49
Net-(IC1-VCAP_2): C2.1 IC1.73
Net-(IC2-BAT): C23.1 IC2.5 R21.2
Net-(IC2-V-): IC2.6 R22.1
Net-(J1-Pin_3): J1.3 R6.2
Net-(J1-Pin_4): J1.4 R7.2
Net-(Q1-G): Q1.1 R13.2 R14.1
Net-(Q2-G): Q2.1 R40.2 R41.1
Net-(Q4-G): Q4.1 R71.2 R72.1
Net-(Q5-G): Q5.1 R77.2 R78.1
Net-(R15-Pad2): R15.2 SW2.2
Net-(R42-Pad2): R42.2 R45.1 SW5.3 SW5.4
Net-(R48-Pad2): R48.2 R49.1 SW6.3 SW6.4
Net-(SW4-A): R34.1 SW4.1 U5.1
Net-(SW7-A): R58.2 R59.1 SW7.1
Net-(SW8-A): R60.2 R61.1 SW8.1
Net-(U2-EN1): R26.1 SW3.4 U2.6
Net-(U2-EN2): R25.1 SW3.3 U2.5
Net-(U2-ILIM): R28.1 U2.12
Net-(U2-ISET): R29.1 U2.16
Net-(U2-TMR): R27.1 U2.14
Net-(U2-TS): TH1.1 U2.1
Net-(U3-Pad5): U3.5 U3.6 U3.7 U3.8 U4.5 U4.6 U4.7 U4.8
Net-(U5-FB): C31.2 R33.2 R35.1 U5.5
Net-(U5-SW): L1.1 U5.3
Net-(U6-ANODE_1): R68.2 U6.2 U6.6 U6.7
Net-(U7-ANODE_1): R73.2 U7.2 U7.6 U7.7

Pads without a net: IC1 1 9 24 25 29 30 33 34 35 36 37 47 48 52 53 54 64 69 77 84 87 89 91 97 98; IC2 1; J2 A8 B8; J3 6; J4 11 12 13 14 15 16 33 34 44 45 46 47; SW4 3; SW7 3; SW8 3; SW9 3; U6 1 4 5 8; U7 1 4 5 8

## Via types
v1: diameter 0.6, hole 0.3, Top to Bottom, 286 vias
v2: diameter 0.7, hole 0.3, Top to Bottom, 16 vias
v3: diameter 0.8, hole 0.4, Top to Bottom, 114 vias
v4: diameter 0.5, hole 0.25, Top to Bottom, 16 vias
v5: diameter 1, hole 0.5, Top to Bottom, 129 vias
v6: diameter 0.7, hole 0.35, Top to Bottom, 2 vias

## Routing (per net, layer and track width the routed paths; a pad name or vN(x,y) marks a point on that pad's centre or on a via; arc(x,y) is an arc through that point)
+3.3V: length 233.2
  Top w0.25: v1(75.25,59.21) 74.77,58.74 IC1.50 73.76,59.69 72.33,59.69 71.75,59.11 ; IC1.100 55.29,61.13 v1(54.75,60.59) ; v1(68,50.21) 67.68,50.21 IC1.28 66.23,51.66 v1(66.23,51.98) ; IC1.75 66.23,69.74 v1(65.75,70.21) ; v1(62.5,53.71) 62.5,53.22 IC1.19 ; IC1.11 59.51,55.89 v1(59.87,55.89) ; IC1.6 57.93,57.85 v1(57.93,57.9)
  Top w0.3: 98.5,52.71 99,52.21 J4.41 101.25,52.21 ; 98.5,52.71 98,52.71 ; 98.5,52.71 J4.40 100.75,52.71 101.25,52.21 ; v1(66.23,51.98) 65.74,51.98 63.25,54.46 62.75,54.46 62.5,54.21 v1(62.5,53.71) ; 101.25,52.21 101.75,51.71 ; v1(67.9,54.16) 70.1,56.36 70.1,57.46 71.75,59.11 ; v1(54.75,60.59) 54.75,59.96 55,59.71 56.12,59.71 v1(57.93,57.9) 58.37,57.46 59.29,57.46 59.87,56.88 v1(59.87,55.89)
  Top w0.5: v1(60.93,56.96) 60.95,56.96 61.8,57.81 61.8,58.96 v1(62.7,59.86)
  Bottom w0.3: v1(67.9,54.16) 67.9,53.06 66.81,51.98 v1(66.23,51.98)
  Bottom w0.5: v1(65.75,70.21) C16.1 ; v1(44.7,48.56) 46.7,48.56 v1(46.9,48.76) ; v1(54.75,60.59) 54.75,60.71 C15.1 ; v1(65.2,72.16) 64.8,72.56 v1(62.4,72.56) ; R67.2 5.24,65.95 v1(5,65.71) ; JP4.3 v1(106.25,59.71) ; v1(68,50.21) 67.41,50.8 C12.1 ; v2(93.6,51.46) 93.62,51.44 FB3.1 ; JP2.3 v1(106.25,66.71) ; v1(62.7,59.86) 63,60.16 64.05,60.16 C10.1 ; v1(84,73.96) 83.97,74 R53.2 ; C11.1 v1(75.25,59.21) ; JP1.1 v1(106.25,70.21) ; FB1.1 62.5,53.33 v1(62.5,53.71) 62.5,53.96 C13.1 62.1,55.19 62.1,55.79 v1(60.93,56.96) C14.1 59.87,55.9 v1(59.87,55.89) ; C36.1 103.79,52.19 C38.1 C37.1 ; v2(22.5,21.2) R33.1 ; R33.1 v2(21.5,20.21) ; R33.1 21.47,21.23 C31.1 ; J5.4 15.28,74.69 v1(15.25,74.71) ; JP3.3 v1(106.25,63.21) ; R50.2 v1(39.5,61.96) ; v1(57.93,57.9) C17.1 ; v1(87.8,73.96) 87.76,74 R52.2 ; v3(134.2,74.36) v3(134.2,71.56)
  Bottom w0.75: v3(84.5,6.71) v3(84.5,4.21) ; v5(109.2,53.16) v5(111.7,53.16) ; v3(110.5,6.71) v3(110.5,4.21) ; v5(96.75,34.61) v5(96.75,31.21) ; v3(87.75,6.71) v3(87.75,4.21) ; v3(94.25,6.71) v3(94.25,4.21) ; v3(91,6.71) v3(91,4.21) ; v5(109.2,54.56) v5(111.7,54.56) ; v3(100.75,6.71) v3(100.75,4.21) ; v5(145.3,35.76) v5(145.3,33.26) ; v5(66.4,34.56) v5(66.4,31.16) ; v3(71.5,6.71) v3(71.5,4.21) ; v3(104,6.71) v3(104,4.21) ; v3(78,6.71) v3(78,4.21) ; v3(81.25,6.71) v3(81.25,4.21) ; v5(120.5,63.71) v5(115.5,63.71) ; v3(107.25,6.71) v3(107.25,4.21) ; v5(120.5,67.71) v5(115.5,67.71) ; v3(104.6,53.16) 104,52.56 C36.1 ; v2(64.7,43.86) v2(66.9,46.06) ; v3(97.5,6.71) v3(97.5,4.21) ; v3(74.25,15.96) v3(74.25,13.46) ; v5(137.75,35.71) v5(137.75,33.21) ; v5(82.25,34.61) v5(82.25,31.21) ; v5(120.5,59.71) v5(115.5,59.71) ; v2(73,45.16) v2(74.8,43.36) ; v3(74.75,6.71) v3(74.75,4.21) ; v5(89.5,34.61) v5(89.5,31.21) ; v5(120.5,56.21) v5(115.5,56.21) ; v5(55,42.76) v5(58,42.76) ; v5(120.5,43.76) v5(115.5,43.76)
  Bottom w1: v5(15,45.96) v5(12,45.96) ; v5(35,23.71) 35,22.96 38,19.96 v5(38,17.21) ; v5(42,23.71) v5(42,17.21) ; v5(3,47.21) v5(4.75,45.46) ; v5(105.4,84.76) v5(108.6,84.76) ; v5(15.8,50.36) v5(14.05,52.11) ; v5(9.25,49.96) v5(7.5,51.71) ; v5(35.4,84.76) v5(38.6,84.76) ; v5(7,47.71) v5(5.25,49.46) ; v5(105.4,86.16) v5(108.6,86.16) ; v5(35.4,86.16) v5(38.6,86.16) ; v5(15,43.21) v5(12,43.21) ; v5(15,40.21) v5(12,40.21)
  vias: v5(3,16.96) v5(3,13.46) v5(3.95,25.96) v5(4,22.71) v5(4.58,15.21) v5(4.58,11.71) v5(5.62,24.21) v5(5.67,20.96) v5(6.25,16.96) v5(6.25,13.46) v5(7.2,25.96) v5(7.25,22.71) v5(7.83,15.21) v5(7.83,11.71) v5(8.92,20.96) v5(9.5,16.96) v5(9.5,13.46) v5(10.5,22.71) v5(11.08,15.21) v5(11.08,11.71) v5(12.17,20.96) v5(12.75,16.96) v5(12.75,13.46) v5(12.75,2.06) v5(14.33,15.21) v5(14.33,11.71) v5(14.42,3.81) v5(16,16.96) v5(16,13.46) v5(16,2.06) v5(16.5,9.46) v5(17.67,3.81) v5(18.08,7.71) v5(19.25,2.06) v5(19.75,9.46) v5(20.92,3.81) v5(21.33,7.71) v5(22.5,2.06) v5(24.17,3.81) v5(25.75,2.06) v5(27.22,3.81) v5(28.8,2.06) v5(30.47,3.81) v5(32.05,2.06) v5(33.72,3.81) v5(35.3,2.06) v5(36.97,3.81) v5(38.55,2.06) v5(40.22,3.81) v5(41.8,2.06) v5(43.47,3.81) v5(45.05,2.06) v5(46.53,3.81) v5(48.1,2.06) v5(49.78,3.81) v5(51.35,2.06) v5(53.03,3.81) v5(54.6,2.06) v5(56.28,3.81) v5(57.85,2.06) v5(59.53,3.81) v5(61.1,2.06) v5(62.58,3.81) v5(64.15,2.06) v5(65.83,3.81)
